# Altium PCB PROC054D_MMWCAS_RF_EVM.PcbDoc (part 10 of 14) (continued)
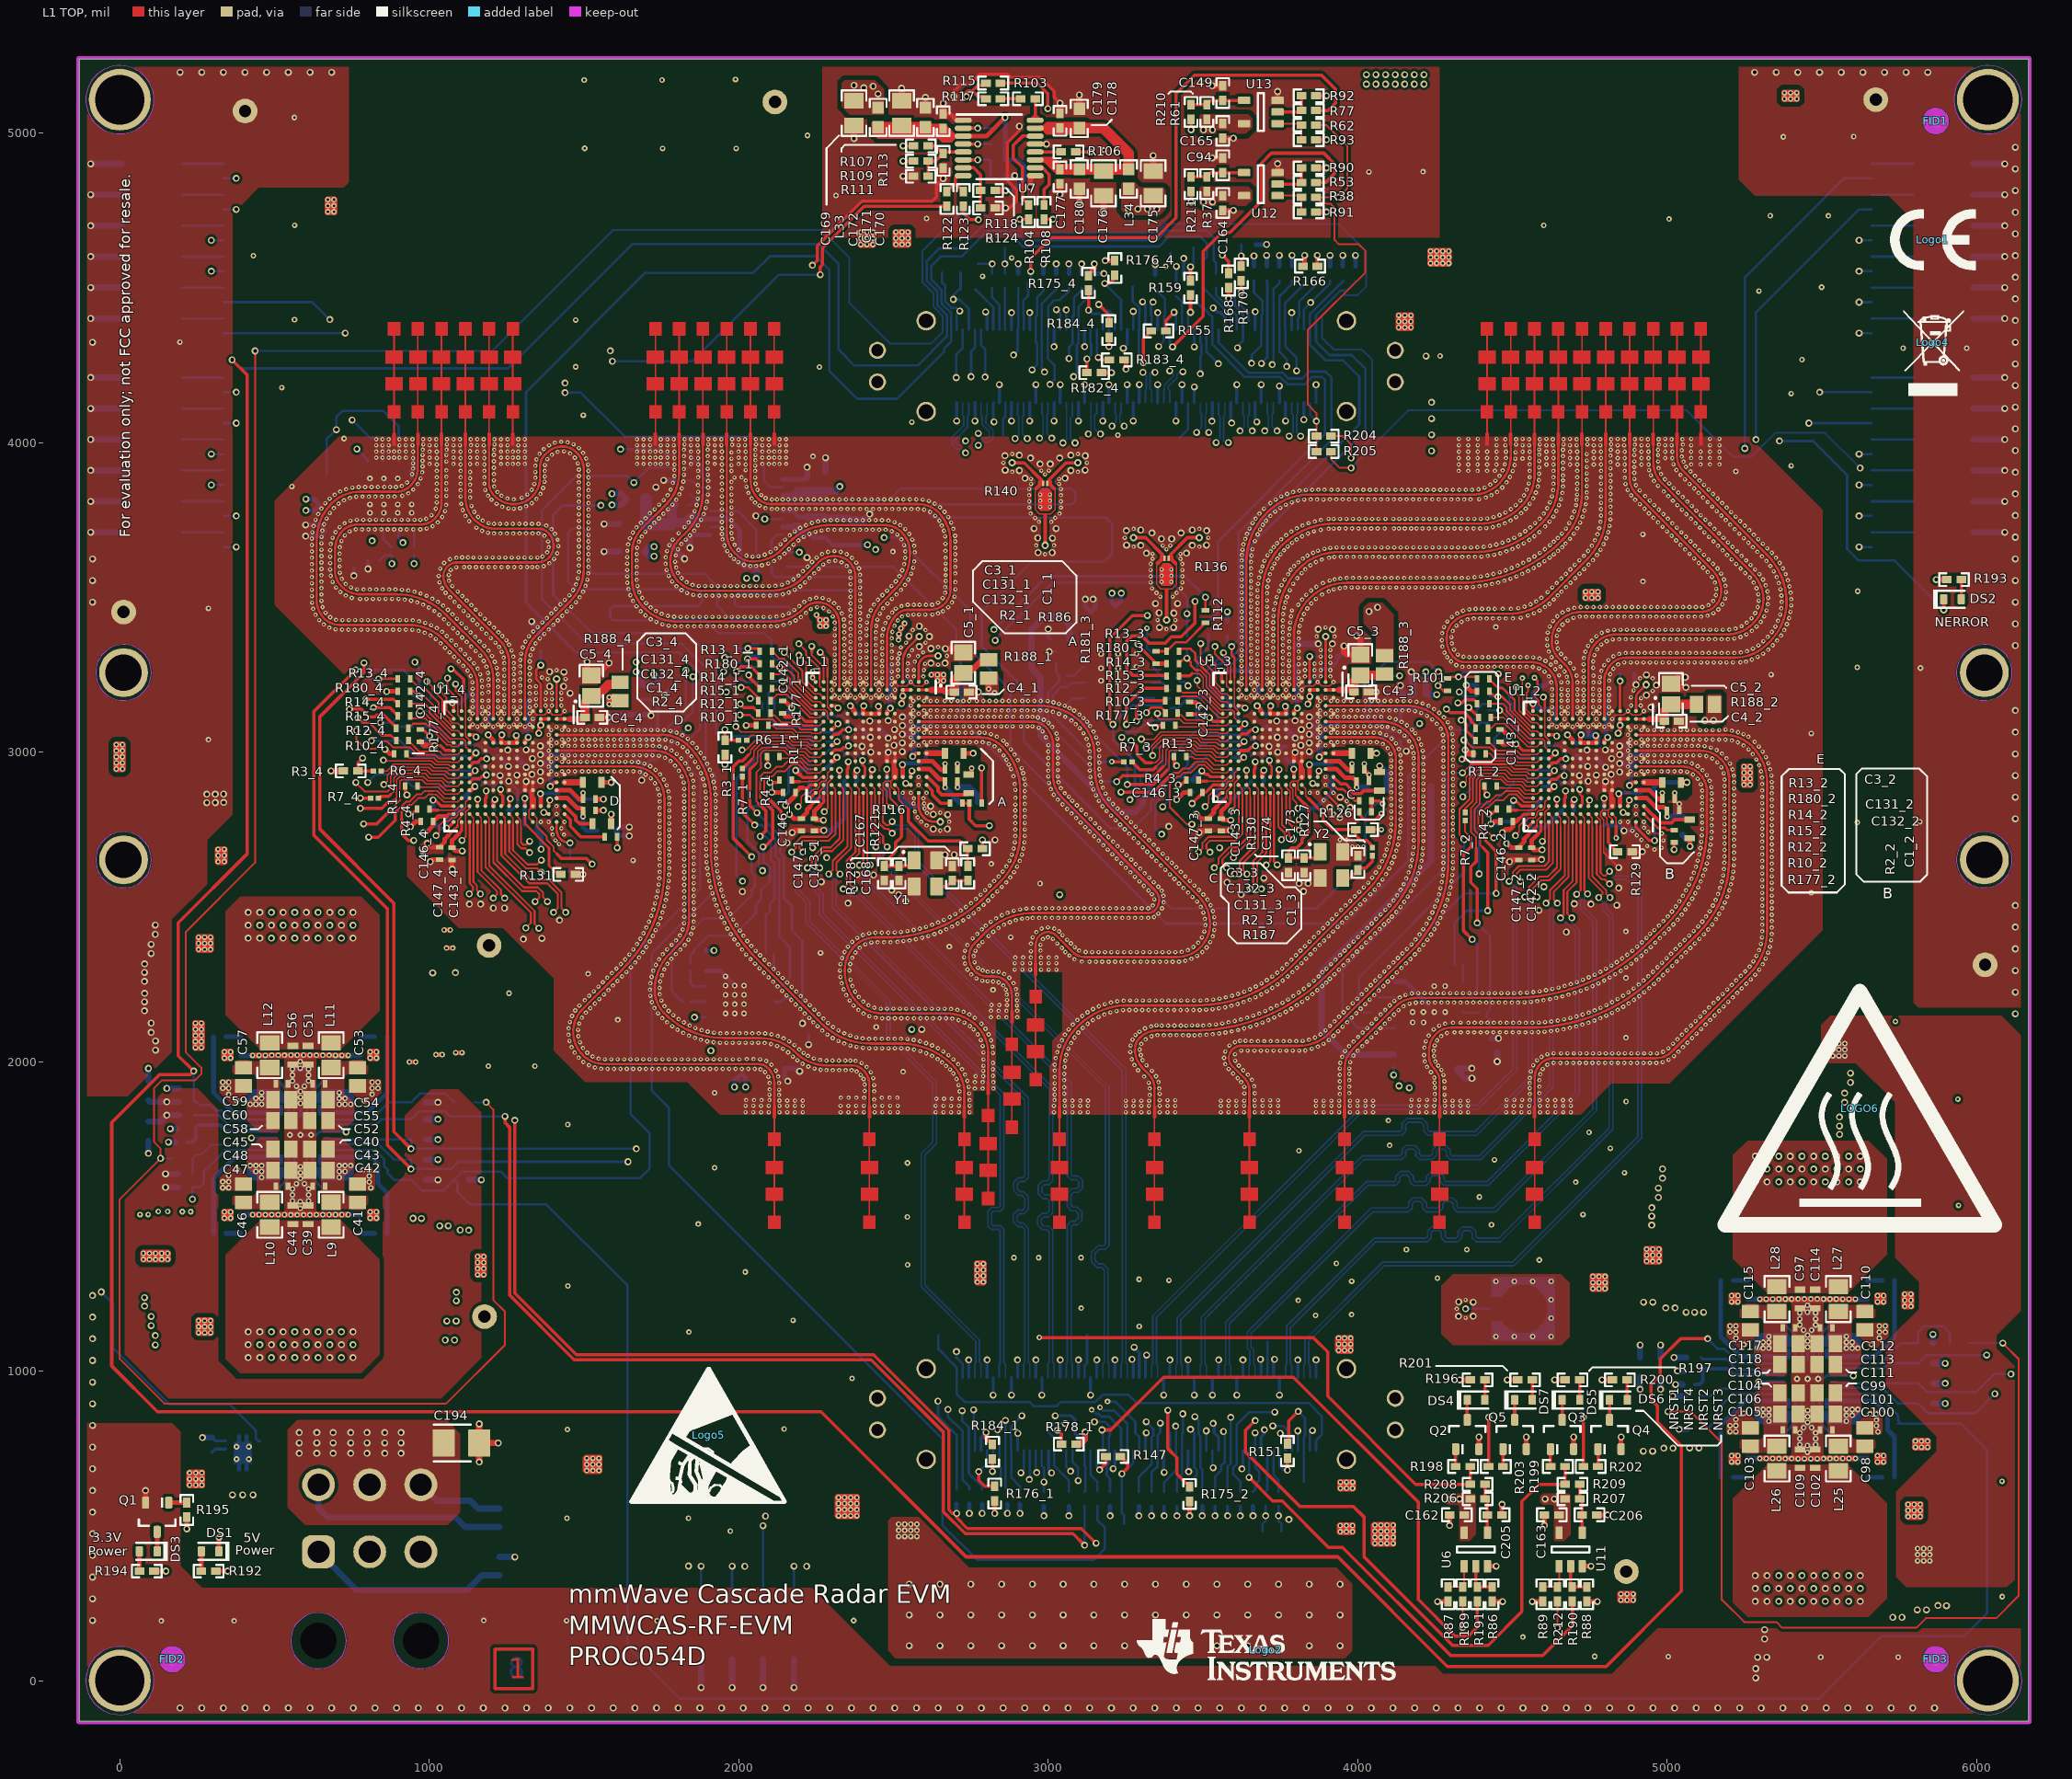
[diagram p0: L1 TOP view]
## Nets (pads, with @x,y where several pads share a name; then routed paths per layer and width w, separated by ;. In a path a pad name is that pad's centre, name@x,y a point inside that pad or via, vN(x,y) a via of type N, cw(c..) or ccw(c..) an arc to the next point about the centre after c; other vN are vias at no path point) (continued)
LMK1_CLK_EN: R119.1 U7.4 | length 87.8
  L1 TOP w10.5: U7.4@2725.57,4964.72 v2(2772.02,4964.72)
  L8 BOTTOM w7.75: v2(2772.02,4964.72) R119.1@2813.38,4964.72
LMK1_CLK_SEL: R118.1 R124.2 U7.7 | length 173
  L1 TOP w10.5: U7.7@2725.57,4887.95 2759.21,4887.95 2782.02,4865.14 R124.2@2782.02,4758.04
LMK1_nCLK: R105.1 R110.2 U7.6 | length 139
  L1 TOP w10.5: U7.6@2725.57,4913.54 v2(2772.02,4913.54)
  L8 BOTTOM w7.75: v2(2772.02,4913.54) R105.1@2813.38,4913.54 R110.2@2813.38,4862.36
LMK1_OE: R120.1 U7.2 | length 87.8
  L1 TOP w10.5: U7.2@2725.57,5015.9 v2(2772.02,5015.9)
  L8 BOTTOM w7.75: v2(2772.02,5015.9) R120.1@2813.38,5015.9
LMK2_3V3: C182.1 C183.2 C184.1 C185.1 C186.1 C187.2 C188.1 C189.2 L35.2 R137.2 R138.2 R141.2 U8.3 U8.11 U8.15 | length 1865.2
  L3 SIGNAL 1 w50: v2(2025.66,3561.87) 2351.99,3561.87 2435.46,3645.34 2326.38,3754.41 v2(2326.38,3858.27)
  L8 BOTTOM w15: C182.1@1841.77,3741.12 1860.89,3741.12 1872.78,3753 U8.3@1908.9,3753 1968.09,3753 2002.94,3718.16 R138.2@2002.94,3649.64 ; U8.15@2141.18,3727.41 2179.18,3727.41 2194.37,3712.23 C186.1@2220.98,3712.23 2240.83,3692.37 C187.2@2280.22,3692.37 2302.89,3669.7 C185.1@2359.46,3669.7 v2(2416.03,3669.7) ; U8.11@2141.18,3829.78 2182.94,3829.78 2192.59,3839.43 C188.1@2220.98,3839.43
  L8 BOTTOM w20: R138.2@2002.94,3649.64 2002.94,3618.65 2023.14,3598.46 R137.2@2056.85,3598.46 v2(2056.85,3561.16)
  L8 BOTTOM w25: C188.1@2220.98,3839.43 2276.12,3839.43 C189.2@2280.22,3843.53 2311.65,3843.53 v2(2326.38,3858.27)
  L8 BOTTOM w30: C184.1@1695.02,3737.01 C184.1@1700.53,3742.52 ; R141.2@1791.14,3796.29 1783.09,3788.23 1783.09,3741.12 C182.1@1841.77,3741.12
  L8 BOTTOM w40: C184.1@1695.02,3737.01 C183.2@1783.09,3737.01 ; C184.1@1700.53,3742.52 L35.2@1700.53,3816.87
  other v2: 2442.4,3654.61
LMK2_CLK_EN: R137.1 U8.4 | length 245.8
  L8 BOTTOM w7.75: U8.4@1908.9,3778.59 1997.03,3778.59 2056.85,3718.77 R137.1@2056.85,3645.7
LMK2_CLK_EN_N: R144.2 U8.6 | length 79.4
  L8 BOTTOM w5.25: R144.2@1838.39,3837.29 1839.86,3837.29 1854.34,3822.81 1873.69,3822.81 1880.66,3829.78 U8.6@1908.9,3829.78
LMK2_CLK_EN_P: R141.1 U8.5 | length 79.3
  L8 BOTTOM w5.25: R141.1@1838.39,3796.29 1841.06,3796.29 1855.58,3810.81 1873.87,3810.81 1880.49,3804.18 U8.5@1908.9,3804.18
LMK2_CLK_SEL: R139.2 U8.7 | length 80
  L8 BOTTOM w7.75: R139.2@1838.39,3878.29 1846.97,3878.29 1869.89,3855.37 U8.7@1908.9,3855.37
LMK2_OE: R138.1 U8.2 | length 120.1
  L8 BOTTOM w7.75: U8.2@1908.9,3727.41 1948.07,3727.41 1955.7,3719.79 R138.1@1955.7,3649.64
MCU_CLKOUT_RS_1: R5_1.2 U1_1.N9 | length 57.3
  L1 TOP w10.5: U1_1.N9@2299.94,3021.91 2305.71,3021.91 v2(2317.94,3034.14)
  L8 BOTTOM w7.75: R5_1.2@2283.71,3034.14 v2(2317.94,3034.14)
MCU_CLKOUT_RS_2: R5_2.2 U1_2.N9 | length 116.5
  L1 TOP w10.5: U1_2.N9@4617.94,2927.91 4623.71,2927.91 v2(4635.94,2940.14)
  L8 BOTTOM w7.75: R5_2.2@4543.9,2943.53 4547.29,2940.14 v2(4635.94,2940.14)
MCU_CLKOUT_RS_3: R5_3.2 U1_3.N9 | length 107.8
  L1 TOP w10.5: U1_3.N9@3614.94,3021.91 3620.71,3021.91 v2(3632.94,3034.14)
  L8 BOTTOM w7.75: R5_3.2@3551.46,3026.2 3559.4,3034.14 v2(3632.94,3034.14)
MCU_CLKOUT_RS_4: R5_4.2 U1_4.N9 | length 161.2
  L1 TOP w10.5: U1_4.N9@1129.94,2927.91 1135.71,2927.91 v2(1147.94,2940.14)
  L8 BOTTOM w7.75: R5_4.2@1014.55,2928.78 1049.3,2928.78 1060.66,2940.14 v2(1147.94,2940.14)
MSS_LOGGER_RS_1: R15_1.2 U1_1.R5 | length 174.6
  L1 TOP w6: R15_1.2@2108,3206 2112.72,3201.28 2155.62,3201.28 2232.64,3124.27 U1_1.R5@2248.76,3124.27
MSS_LOGGER_RS_2: R15_2.2 U1_2.R5 | length 169.7
  L1 TOP w4.9: R15_2.2@4430.9,3112 4471,3112 4552.73,3030.27 U1_2.R5@4566.76,3030.27
MSS_LOGGER_RS_3: R15_3.2 U1_3.R5 | length 175.9
  L1 TOP w4.9: R15_3.2@3422.9,3206 3422.9,3204 3434.73,3192.17 3487.54,3192.17 3555.44,3124.27 U1_3.R5@3563.76,3124.27
MSS_LOGGER_RS_4: R15_4.2 U1_4.R5 | length 176.8
  L1 TOP w4: 1057.68,3038.32 1063,3033 1076.03,3033 U1_4.R5@1078.76,3030.27
  L1 TOP w6: R15_4.2@937.9,3117 945.9,3109 987,3109 1057.68,3038.32
NERROR_OUT: DS2.2 J4.75 R150.1 R154.2 R156.2 R158.2 R160.2 | length 15844.1
  L1 TOP w10.5: v2(5894.06,3459.61) DS2.2@5894.06,3493.76
  L3 SIGNAL 1 w5.1: v2(3037.24,2539.49) 3037.24,2764 3237.87,2964.62 v2(3237.87,3047.64)
  L5 SIGNAL 2 w12: v2(842,3095.1) 853.64,3083.46 976.74,3083.46 1017.21,3123.92 1412.05,3123.92 1517.32,3018.65 1827.6,3018.65 1990.9,3181.95 2028.05,3181.95 v2(2037,3173)
  L6 SIGNAL 3 w6.9: v2(842,3095.1) 884.93,3138.03 884.93,3327.09 1126.05,3568.21 1126.05,4266.2 1392.79,4532.93 2018.75,4532.93 2143.65,4408.04 2507.62,4408.04 2581.18,4334.48 2823.74,4334.48 2851.61,4362.35 3142.35,4362.35 3188.33,4408.33 3188.33,4481.34 3208,4501.01 3208,4567.02 3285.48,4644.5 3482.19,4644.5 3528.8,4691.11 3732.33,4691.11 3766.82,4656.61 4004.49,4656.61 4132.37,4784.49 4625.46,4784.49 5363.21,4046.74 v2(5363.21,4005.06) 5335.8,4005.06 5296.17,4044.69 5129.07,4044.69 4454.58,3370.2 v2(4454.58,3252.7) ; v2(2037,3173) 2037,3212.19 2016.91,3232.28 1987.03,3232.28 1972.24,3247.07 1972.24,3268.92 2000.61,3297.29 2000.61,3343.48 2016.48,3359.35 2039.42,3359.35 2072.91,3325.87 2072.91,3276.54 2093.18,3256.27 2093.18,3208.04 2126.03,3175.19 2247.86,3175.19 2347.48,3274.82 2347.48,3392.58 2403.46,3448.57 2632.81,3448.57 2849.83,3231.54 2849.83,3124.4 2730.07,3004.64 2730.07,2915.71 2737.79,2907.99 2737.79,2879.36 3037.24,2579.9 v2(3037.24,2539.49) 3134.4,2442.34 3134.4,1016.48 3212.76,938.13 3212.76,746.72 3261.68,697.8 3261.68,657.35 3226.66,622.33 3005.67,622.33 v2(2986,642)
  L8 BOTTOM w7.75: v2(842,3095.1) 882.1,3095.1 R160.2@909,3122 ; v2(2037,3173) 2060.46,3173 2075.9,3157.56 R154.2@2075.9,3139.1 ; J4.75@2979.8,743.02 2979.8,694.2 2987,687 2987,643 v2(2986,642) R150.1@2986,610.42 ; v2@3240.29,3047.25 3259.58,3066.54 3289.73,3066.54 3325.19,3102 R158.2@3396.01,3102 ; v2(4454.58,3252.7) 4454.58,3220.59 4489.96,3185.21 4489.96,3167.72 4500.91,3156.76 4500.91,3086.36 4520.6,3066.67 R156.2@4520.6,3059.85 ; v2(5363.21,4005.06) 5471.63,4005.06 5582.13,3894.57 5582.13,3656.46 5619.82,3618.77 5734.9,3618.77 v2(5894.06,3459.61)
NERROR_OUT_LED: DS2.1 R193.1 | length 63.8
  L1 TOP w10.5: DS2.1@5951.15,3493.76 R193.1@5951.15,3557.54
NERROR_OUT_RS_1: R9_1.2 U1_1.N8 | length 320.9
  L1 TOP w10.5: U1_1.N8@2299.94,3047.5 2309.49,3057.05 2320.01,3057.05 2335.56,3072.6 v2(2354.99,3072.6)
  L8 BOTTOM w7.75: R9_1.2@2155.9,3176 2197,3176 2255.76,3117.24 2332.17,3117.24 2354.59,3094.82 2354.59,3072.2 v2(2354.99,3072.6)
NERROR_OUT_RS_2: R9_2.2 U1_2.N8 | length 169.7
  L1 TOP w10.5: U1_2.N8@4617.94,2953.5 4629.24,2964.8 4642.45,2964.8 4656.25,2978.6 v2(4672.99,2978.6)
  L8 BOTTOM w7.75: R9_2.2@4600.6,3020.95 4655.06,3020.95 4672.99,3003.02 v2(4672.99,2978.6)
NERROR_OUT_RS_3: R9_3.2 U1_3.N8 | length 155.4
  L1 TOP w10.5: U1_3.N8@3614.94,3047.5 3626.45,3059.01 3642.73,3059.01 3656.32,3072.6 v2(3669.99,3072.6)
  L8 BOTTOM w7.75: R9_3.2@3587.22,3084.16 3606.51,3084.16 3620.93,3069.73 3667.12,3069.73 v2(3669.99,3072.6)
NERROR_OUT_RS_4: R9_4.2 U1_4.N8 | length 319.9
  L1 TOP w10.5: U1_4.N8@1129.94,2953.5 1142.84,2966.4 1155.48,2966.4 1167.68,2978.6 v2(1184.99,2978.6)
  L8 BOTTOM w7.75: R9_4.2@985.9,3082 1026,3082 1084.74,3023.26 1160.76,3023.26 1184.71,2999.31 1184.71,2978.32 v2(1184.99,2978.6)
NetC9_1: C9.1 U5.3 | length 48.7
  L8 BOTTOM w10: C9.1@297.71,737.86 308.41,748.57 U5.3@342,748.57
NetC37_2: C37.2 R39.2 | length 27.6
  L8 BOTTOM w10: C37.2@753.8,1591.98 R39.2@781.41,1591.98
NetC38_2: C38.2 R40.2 | length 27.6
  L8 BOTTOM w10: R40.2@385.66,1591.98 C38.2@413.28,1591.98
NetC49_2: C49.2 R41.2 | length 27.6
  L8 BOTTOM w10: C49.2@753.8,1933.94 R41.2@781.41,1933.94
NetC50_2: C50.2 R42.2 | length 27.6
  L8 BOTTOM w10: R42.2@385.66,1933.94 C50.2@413.28,1933.94
NetC95_2: C95.2 R63.2 | length 27.6
  L8 BOTTOM w10: C95.2@5624.52,804.13 R63.2@5652.14,804.13
NetC96_2: C96.2 R64.2 | length 27.6
  L8 BOTTOM w10: R64.2@5256.39,804.13 C96.2@5284,804.13
NetC107_2: C107.2 R65.2 | length 27.6
  L8 BOTTOM w10: C107.2@5624.52,1146.09 R65.2@5652.14,1146.09
NetC108_2: C108.2 R66.2 | length 27.6
  L8 BOTTOM w10: R66.2@5256.39,1146.09 C108.2@5284,1146.09
NetDS3_2: DS3.2 Q1.3 | length 63
  L1 TOP w15: DS3.2@120.44,417.61 Q1.3@120.44,480.64
NetDS4_2: DS4.2 Q2.3 | length 64.3
  L1 TOP w10.5: Q2.3@4354.39,842.45 DS4.2@4354.39,906.78
NetDS5_2: DS5.2 Q3.3 | length 64.3
  L1 TOP w10.5: Q3.3@4660.83,842.45 DS5.2@4660.83,906.78
NetDS6_2: DS6.2 Q4.3 | length 64.3
  L1 TOP w10.5: Q4.3@4814.06,842.45 DS6.2@4814.06,906.78
NetDS7_2: DS7.2 Q5.3 | length 64.3
  L1 TOP w10.5: Q5.3@4507.61,842.45 DS7.2@4507.61,906.78
OSC_CLKOUT_RS_1: R2_1.2 U1_1.A14 | length 107.9
  L1 TOP w10.5: U1_1.A14@2607.03,2893.95 2625.79,2875.19 2625.79,2862.31 2653.2,2834.89 R2_1.2@2682.88,2834.89
OSC_CLKOUT_RS_2: R2_2.2 U1_2.A14 | length 119.1
  L1 TOP w8: U1_2.A14@4925.03,2799.95 4969.8,2755.18 4993.09,2755.18 4999.87,2748.4 R2_2.2@5022.77,2748.4
OSC_CLKOUT_RS_3: R2_3.2 U1_3.A14 | length 104
  L1 TOP w8: U1_3.A14@3922.03,2893.95 3935.88,2880.1 3953.48,2880.1 3991.17,2842.4 R2_3.2@4004.71,2842.4
OSC_CLKOUT_RS_4: R2_4.2 U1_4.A14 | length 173
  L1 TOP w10.5: U1_4.A14@1437.03,2799.95 1455.79,2781.19 1455.79,2760.07 1489.63,2726.23 R2_4.2@1567.14,2726.23
PMIC1_3V3: R34.1 R36.2 R49.2 R50.2 R51.2 R54.2 R56.2 R94.2 | length 368.7
  L8 BOTTOM w20: R36.2@92.28,1806.04 130.94,1806.04 v2(151.69,1826.79) R50.2@191.56,1826.79 ; R34.1@92.28,1875.1 97.28,1870.1 v2(151.69,1870.1) R51.2@191.56,1870.1 ; v2(147.58,1593.92) R54.2@187.46,1593.92 ; v2(147.58,1637.22) R56.2@187.46,1637.22 ; R49.2@988.28,1618.2 v2(1028.15,1618.2) ; R94.2@988.28,1868.27 v2(1028.15,1868.27)
PMIC1_AWR_1_1V0: C25.1 C27.1 C61.1 C62.1 L4.1 L5.1 L13.2 R43.1 | length 48.2
  L8 BOTTOM w15: C62.1@775.98,1445.28 R43.1@824.21,1445.28
PMIC1_AWR_4_1V0: C33.1 C35.1 C66.1 C67.1 L7.1 L8.1 L15.2 R48.1 | length 48.2
  L8 BOTTOM w15: C66.1@775.98,2080.64 R48.1@824.21,2080.64
PMIC1_AWR_14_1V2: C10.1 C64.1 C65.1 C161.1 L1.1 L3.1 L14.2 R45.1 | length 48.2
  L8 BOTTOM w15: R45.1@342.87,1445.28 C65.1@391.09,1445.28
PMIC1_AWR_14_1V8: C14.1 C68.1 C69.1 C86.1 L2.1 L6.1 L16.2 R35.1 R52.1 | length 48.2
  L8 BOTTOM w15: R52.1@342.87,2080.64 C68.1@391.09,2080.64
PMIC1_FB_B0: R43.2 U3.8 | length 422.1
  L8 BOTTOM w15: U3.8@658.34,1691.11 813.68,1691.11 833.58,1671.21 833.58,1606.08 864.21,1575.46 R43.2@864.21,1445.28
PMIC1_FB_B1: R45.2 U3.14 | length 411.9
  L8 BOTTOM w15: R45.2@302.87,1445.28 302.87,1623.1 370.88,1691.11 U3.14@508.73,1691.11
PMIC1_FB_B2: R48.2 U3.1 | length 413.6
  L8 BOTTOM w15: U3.1@658.34,1834.81 799.23,1834.81 864.21,1899.79 R48.2@864.21,2080.64
PMIC1_FB_B3: R52.2 U3.21 | length 413.6
  L8 BOTTOM w15: R52.2@302.87,2080.64 302.87,1899.79 367.85,1834.81 U3.21@508.73,1834.81
PMIC1_GPIO2: R54.1 TP7.1 U3.15 U5.5 | length 1886.2
  L3 SIGNAL 1 w5.1: v2(-60.26,1255.79) 39.14,1255.79 54.72,1271.37 287,1271.37 326.32,1310.69 326.32,1463.76 v2(234.7,1555.38)
  L8 BOTTOM w7.75: v2(-60.26,1255.79) -20.48,1216.01 -20.48,1073.71 160.17,893.06 354.43,893.06 439.5,807.99 439.5,782.27 447.61,774.16 U5.5@452.24,774.16 ; v2(234.7,1555.38) R54.1@234.7,1593.92 257.58,1593.92 271.32,1607.66 271.32,1644.49 TP7.1@293.43,1666.6 340.58,1713.75 U3.15@508.73,1713.75
PMIC1_GPIO3: R73.2 R94.1 U3.2 | length 469.5
  L8 BOTTOM w7.75: U3.2@658.34,1812.17 811.67,1812.17 867.77,1868.27 R94.1@941.03,1868.27 969.43,1896.67 1052.69,1896.67 R73.2@1081.09,1868.27
PMIC1_INTN: R50.1 U3.19 | length 284.1
  L8 BOTTOM w7.75: R50.1@238.81,1826.79 320.6,1826.79 354.9,1792.49 U3.19@508.73,1792.49
PMIC1_PGOOD: R73.1 R96.1 R204.2 | length 11347.4
  L1 TOP w6: v2(437.24,4296.19) 437.24,2642.76 212.32,2417.85 212.32,2031.35 262.88,1980.8 262.88,1959.84 242.13,1939.09 135.33,1939.09 110.09,1913.85 110.09,1740.66 131.84,1718.91 v2(131.84,1687.42) -0.76,1554.83 -0.76,1039.26 143.36,895.14 1054.68,895.14 1244.2,1084.67 1244.2,1192.77 1206.91,1230.06 1206.91,1845.31 v2(1183.95,1868.27) ; R204.2@3914.25,4020.74 3951.83,4020.74 3979.06,3993.5 v2(3979.06,3950.08)
  L8 BOTTOM w6: v2(131.84,1687.42) R96.1@171.71,1687.42 ; v2(437.24,4296.19) 1202.8,4296.19 1593.41,4686.79 2268.61,4686.79 2357.79,4597.62 2357.79,4451.15 2489.63,4319.31 2620.75,4319.31 2659.5,4358.06 2659.5,4408.86 2629.32,4439.03 2629.32,4482.91 2593.6,4518.63 2593.6,4619.76 2721.78,4747.95 2786.17,4747.95 2815.2,4718.91 2877.24,4718.91 2919.81,4676.34 3348.38,4676.34 3378.23,4706.19 3939.64,4706.19 4027.06,4618.77 4027.06,4504.11 3999.54,4476.6 3951.7,4476.6 3884.97,4409.87 3884.97,4338.86 3923.26,4300.57 4013.34,4300.57 4047.1,4266.81 4047.1,4018.12 v2(3979.06,3950.08) ; R73.1@1144.08,1868.27 v2(1183.95,1868.27)
PMIC1_PGOOD_RS: R56.1 R96.2 TP11.1 U3.16 | length 343.3
  L8 BOTTOM w6: R56.1@234.7,1637.22 R96.2@234.7,1687.42 245.57,1698.29 260.88,1698.29 TP11.1@293.43,1730.84 489.56,1730.84 492.15,1733.43 U3.16@508.73,1733.43
PMIC1_SCL: J4.72 R47.1 R98.1 R100.1 R102.1 R114.1 TP9.1 U3.5 | length 10164.4
  L1 TOP w10.5: v2(788.92,3288.1) 788.92,3256.99 646.81,3114.88 646.81,2750.57 885.85,2511.53 885.85,1773.33 v2(941.03,1718.15)
  L5 SIGNAL 2 w12: v2(788.92,3288.1) 822.67,3321.85 1169.51,3321.85 1341.82,3149.55 1419.85,3149.55 1518.86,3050.54 1755.49,3050.54 1828.46,3123.5 1870.63,3123.5 1923.8,3176.67 1923.8,3232.94 v2(1951.03,3260.18) ; v2(3448.24,3447.14) 3504.12,3391.26 3709.95,3391.26 3842.13,3523.44 4080.51,3523.44 4121.81,3482.15 4121.81,3401.27 4009.99,3289.45 4009.99,3196.17 4064.8,3141.35 4251.08,3141.35 4274.15,3164.42 4295.91,3164.42 4325.82,3194.34 v2(4328.61,3194.34)
  L6 SIGNAL 3 w6.9: v2(1668.76,1718.15) 1668.76,1429.75 2476.77,621.73 2862.04,621.73 v2(2912,671.69) ; v2(1951.03,3260.18) 1958.17,3267.31 1958.17,3275.07 1982.95,3299.86 1982.95,3349.94 2008.64,3375.63 2053.37,3375.63 2093.71,3335.29 2093.71,3279.31 2111.37,3261.65 2111.37,3215.09 2134.29,3192.17 2229.13,3192.17 2330.46,3293.5 2330.46,3411.09 2386.94,3467.57 2692.31,3467.57 2798.84,3361.04 v2(2828.84,3361.04)
  L8 BOTTOM w7.75: U3.5@658.34,1753.12 676.46,1753.12 681.35,1748.23 TP9.1@885.78,1748.23 R47.1@941.03,1748.23 v2(941.03,1718.15) v2(1668.76,1718.15) ; v2(788.92,3288.1) 811.55,3265.46 917.54,3265.46 933.88,3249.12 R114.1@933.88,3235.9 ; v2(1951.03,3260.18) 1981.56,3290.71 2001.59,3290.71 2017.24,3275.06 R98.1@2064.31,3275.06 ; v2(2828.84,3361.04) 3015.95,3548.15 3399.39,3548.15 3448.24,3499.3 v2(3448.24,3447.14) R102.1@3448.24,3373.71 ; v2(2912,671.69) 2920.75,680.44 J4.72@2920.75,743.02 ; v2(4328.61,3194.34) 4343.72,3179.22 R100.1@4386.98,3179.22
PMIC1_SDA: J4.73 R46.2 R99.1 R101.1 R112.1 R125.1 TP10.1 U3.6 | length 9791.9
  L1 TOP w8: R112.1@3508.27,3457.99 v2(3508.27,3500.51) ; v2(4259.95,3214.65) 4276.6,3198 R101.1@4291.06,3198
  L1 TOP w10.5: v2(761.74,3265.93) 627.45,3131.64 627.45,2730.66 865.28,2492.83 865.28,1728.88 v2(941.03,1653.13)
  L5 SIGNAL 2 w12: v2(761.74,3265.93) 761.74,3307.2 811.01,3356.47 1181.41,3356.47 1363.78,3174.1 1428.23,3174.1 1521.42,3080.91 1737.13,3080.91 1819.45,3163.23 1855.35,3163.23 1893.28,3201.16 1893.28,3274.97 1923.58,3305.27 v2(1954.65,3305.27) ; v2(3508.27,3500.51) 3508.27,3456.2 3543.25,3421.22 3624.76,3421.22 3779.22,3575.68 4107.74,3575.68 4168.22,3515.2 4168.22,3364.26 4090.15,3286.18 4090.15,3210.22 4119.57,3180.8 4192.99,3180.8 4226.84,3214.65 v2(4259.95,3214.65)
  L6 SIGNAL 3 w6.9: v2(1642.42,1676.33) 1642.42,1426.03 2460.39,608.07 2897.07,608.07 v2(2939,650) ; v2(1954.65,3305.27) 1954.65,3343.47 2003.18,3392 2085.49,3392 2111.63,3365.85 2111.63,3316.78 2129.68,3298.73 2155.47,3298.73 2169.82,3284.38 2270.05,3284.38 2312.56,3326.89 2312.56,3436.17 2358.84,3482.45 2738.43,3482.45 v2(2824.62,3396.26)
  L8 BOTTOM w7.75: U3.6@658.34,1733.43 835.56,1733.43 TP10.1@885.78,1683.21 R46.2@941.03,1683.21 v2(941.03,1653.13) 1070.39,1653.13 1093.59,1676.33 v2(1642.42,1676.33) ; R125.1@761.74,3236.1 v2(761.74,3265.93) ; v2(1954.65,3305.27) R99.1@1954.65,3335.1 ; v2(2824.62,3396.26) 2996.4,3568.04 3440.73,3568.04 v2(3508.27,3500.51) ; v2(2939,650) 2940.43,651.43 J4.73@2940.43,743.02
PMIC1_SW_B0: C37.1 L13.1 U3.10 | length 130.8
  L8 BOTTOM w9: U3.10@603.22,1702.33 603.22,1641.47 652.66,1592.04
PMIC1_SW_B1: C38.1 L14.1 U3.12 | length 130.8
  L8 BOTTOM w9: 514.42,1592.04 563.85,1641.47 U3.12@563.85,1702.33
PMIC1_SW_B2: C49.1 L15.1 U3.25 | length 130.8
  L8 BOTTOM w9: U3.25@603.22,1823.59 603.22,1884.45 652.66,1933.89
PMIC1_SW_B3: C50.1 L16.1 U3.23 | length 130.8
  L8 BOTTOM w9: 514.42,1933.89 563.85,1884.45 U3.23@563.85,1823.59
PMIC1_VANA: C63.1 R44.2 TP14.1 U3.18 | length 343.1
  L8 BOTTOM w9: 490.46,1772.8 U3.18@508.73,1772.8
  L8 BOTTOM w12: C63.1@219.53,1739.74 234.75,1739.74 245.28,1750.27 R44.2@245.28,1783.21 245.28,1787.47 252.89,1795.08 TP14.1@293.43,1795.08 324.97,1795.08 343.67,1776.38 486.89,1776.38 490.46,1772.8
PMIC1_VIN_B0: C40.1 C41.1 C42.1 C43.1 L9.2 U3.9
  other v3: 708.82,1626.03 708.82,1645.04 727.45,1645.04 708.82,1664.05 727.45,1664.05 746.08,1664.05
PMIC1_VIN_B1: C45.1 C46.1 C47.1 C48.1 L10.2 U3.13
  other v3: 458.26,1626.03 439.63,1645.04 458.26,1645.04 421,1664.05 439.63,1664.05 458.26,1664.05
PMIC1_VIN_B2: C52.1 C53.1 C54.1 C55.1 L11.2 U3.26
  other v3: 708.82,1861.87 727.45,1861.87 746.08,1861.87 708.82,1880.88 727.45,1880.88 708.82,1899.89
PMIC1_VIN_B3: C57.1 C58.1 C59.1 C60.1 L12.2 U3.22
  other v3: 421,1861.87 439.63,1861.87 458.26,1861.87 439.63,1880.88 458.26,1880.88 458.26,1899.89
PMIC2_3V3: R59.1 R60.2 R74.2 R78.2 R80.2 R95.2 | length 215.1
  L8 BOTTOM w20: R60.2@4912.9,1044.19 v2(4912.9,1084.06) ; R59.1@4978.78,1044.19 v2(4978.78,1084.06) ; v2(5018.31,919.56) R80.2@5058.18,919.56 ; v2(5022.42,1043.93) R74.2@5062.29,1043.93 ; v2(5038.8,811.98) R78.2@5065.83,811.98 ; R95.2@5859,1090.42 v2(5859,1118.98)
PMIC2_AWR_2_1V0: C82.1 C84.1 C119.1 C120.1 L20.1 L21.1 L29.2 R67.1 | length 48.2
  L8 BOTTOM w15: C120.1@5646.71,657.42 R67.1@5694.93,657.42
PMIC2_AWR_3_1V0: C90.1 C92.1 C124.1 C125.1 L23.1 L24.1 L31.2 R72.1 | length 48.2
  L8 BOTTOM w15: C124.1@5646.71,1292.79 R72.1@5694.93,1292.79
PMIC2_AWR_23_1V2: C70.1 C122.1 C123.1 C153.1 L17.1 L19.1 L30.2 R69.1 | length 48.2
  L8 BOTTOM w15: R69.1@5213.59,657.42 C123.1@5261.82,657.42
PMIC2_AWR_23_1V8: C74.1 C126.1 C127.1 C157.1 L18.1 L22.1 L32.2 R76.1 | length 48.2
  L8 BOTTOM w15: R76.1@5213.59,1292.79 C126.1@5261.82,1292.79
PMIC2_FB_B0: R67.2 U4.8 | length 414.1
  L8 BOTTOM w15: U4.8@5529.07,903.26 5670.7,903.26 5712.74,861.22 5712.74,809.8 5734.93,787.61 R67.2@5734.93,657.42
PMIC2_FB_B1: R69.2 U4.14 | length 406.2
  L8 BOTTOM w15: R69.2@5173.59,657.42 5173.59,825.65 5251.2,903.26 U4.14@5379.46,903.26
PMIC2_FB_B2: R72.2 U4.1 | length 413.6
  L8 BOTTOM w15: U4.1@5529.07,1046.96 5669.95,1046.96 5734.93,1111.94 R72.2@5734.93,1292.79
PMIC2_FB_B3: R76.2 U4.21 | length 413.6
  L8 BOTTOM w15: R76.2@5173.59,1292.79 5173.59,1111.94 5238.57,1046.96 U4.21@5379.46,1046.96
PMIC2_GPIO2: R78.1 TP24.1 U4.15 | length 330.3
  L8 BOTTOM w7.75: 5114.42,811.98 5128.3,811.98 5164.16,847.84 TP24.1@5164.16,878.74 5211.31,925.89 U4.15@5379.46,925.89
PMIC2_GPIO3: R75.2 R95.1 U4.2 | length 498.4
  L8 BOTTOM w7.75: U4.2@5529.07,1024.32 5688.32,1024.32 5754.41,1090.42 R95.1@5811.76,1090.42 5811.76,1126.39 5830.7,1145.33 5891.99,1145.33 5914.54,1122.77 R75.2@5914.54,1090.42
PMIC2_INTN: R74.1 U4.19 | length 286.2
  L8 BOTTOM w7.75: R74.1@5109.53,1043.93 5114.53,1038.93 5190.44,1038.93 5224.74,1004.63 U4.19@5379.46,1004.63
PMIC2_PGOOD: R75.1 R97.1 R205.2 | length 7731.5
  L1 TOP w6: R205.2@3914.25,3971.03 3914.25,3945.93 3942.13,3918.05 v2(3978.93,3918.05) ; v2(5002.56,869.37) 5076.39,869.37 5176.37,769.38 5176.37,262.34 5249.54,189.17 5353.33,189.17 5371.87,170.63 5805.61,170.63 5836.8,201.81 6064.23,201.81 6136.34,273.92 6136.34,1038.94 v2(6084.86,1090.42)
  L3 SIGNAL 1 w6: v2(5623.99,3918.05) 5659.18,3882.85 5659.18,2434.63 6084.86,2008.95 v2(6084.86,1090.42)
  L8 BOTTOM w6: v2(3978.93,3918.05) 4165.64,4104.76 5061.78,4104.76 5212.11,3954.44 5272.72,3954.44 5349.85,4031.56 5510.47,4031.56 v2(5623.99,3918.05) ; v2(5002.56,869.37) R97.1@5042.43,869.37 ; R75.1@5977.53,1090.42 v2(6084.86,1090.42)
PMIC2_PGOOD_RS: R80.1 R97.2 TP28.1 U4.16 | length 335
  L8 BOTTOM w6: R97.2@5105.43,869.37 R80.1@5105.43,919.56 5140.74,919.56 TP28.1@5164.16,942.99 5360.28,942.99 5362.88,945.58 U4.16@5379.46,945.58
PMIC2_SW_B0: C95.1 L29.1 U4.10 | length 130.8
  L8 BOTTOM w9: U4.10@5473.95,914.48 5473.95,853.61 5523.38,804.18
PMIC2_SW_B1: C96.1 L30.1 U4.12 | length 130.8
  L8 BOTTOM w9: 5385.14,804.18 5434.58,853.61 U4.12@5434.58,914.48
PMIC2_SW_B2: C107.1 L31.1 U4.25 | length 130.8
  L8 BOTTOM w9: U4.25@5473.95,1035.74 5473.95,1096.6 5523.38,1146.03
PMIC2_SW_B3: C108.1 L32.1 U4.23 | length 130.8
  L8 BOTTOM w9: 5385.14,1146.03 5434.58,1096.6 U4.23@5434.58,1035.74
PMIC2_TMPSNS_SCL: J5.49 R71.1 R170.2 TP26.1 U4.5 | length 6278.8
  L1 TOP w10.5: v2(3624,4485.92) R170.2@3624,4523
  L3 SIGNAL 1 w5.1: v2(3624,4485.92) 3653.42,4485.92 3768.36,4370.98 3896.27,4370.98 3924.99,4342.26 5463.78,4342.26 5683.65,4122.4 5683.65,2452.15 6111.24,2024.55 v2(6111.24,990.66)
  L8 BOTTOM w7.75: v2(3624,4485.92) 3624,4442.55 3647,4419.54 3647,4395.99 J5.49@3649.09,4393.9 ; U4.5@5529.07,965.26 5547.19,965.26 5552.07,960.38 TP26.1@5756.51,960.38 R71.1@5811.76,960.38 5840.11,932.02 5998.32,932.02 6056.96,990.66 v2(6111.24,990.66)
PMIC2_TMPSNS_SDA: J5.48 R70.2 R169.2 TP27.1 U4.6 | length 6404.8
  L3 SIGNAL 1 w5.1: v2(3612,4306.48) 3650.96,4345.44 3894.78,4345.44 3997.93,4242.3 4138,4242.3 4208.43,4312.73 5464.31,4312.73 5579.62,4197.42 5579.62,2467.12 6059.57,1987.17 6059.57,1082.13 6085.07,1056.64 6085.07,952.26 v2(6059.57,926.77)
  L8 BOTTOM w7.75: R169.2@3583,4500 3603.6,4479.4 3603.6,4441.4 3629.41,4415.59 3629.41,4328.89 3612,4311.48 v2(3612,4306.48) ; U4.6@5529.07,945.58 5696.29,945.58 5746.51,895.36 TP27.1@5756.51,895.36 R70.2@5811.76,895.36 5843.77,863.35 5996.15,863.35 v2(6059.57,926.77)
PMIC2_VANA: C121.1 R68.2 TP31.1 U4.18 | length 333.6
  L8 BOTTOM w9: 5361.19,984.95 U4.18@5379.46,984.95
  L8 BOTTOM w12: C121.1@5090.26,956.89 5105.48,956.89 5116.01,967.42 R68.2@5116.01,995.35 ; R68.2@5116.01,1000.35 5122.88,1007.23 TP31.1@5164.16,1007.23 5195.7,1007.23 5214.4,988.53 5357.61,988.53 5361.19,984.95
PMIC2_VIN_B0: C98.1 C99.1 C100.1 C101.1 L25.2 U4.9
  other v3: 5579.55,838.18 5579.55,857.18 5598.17,857.18 5579.55,876.19 5598.17,876.19 5616.8,876.19
PMIC2_VIN_B1: C103.1 C104.1 C105.1 C106.1 L26.2 U4.13
  other v3: 5328.98,838.18 5310.35,857.18 5328.98,857.18 5291.72,876.19 5310.35,876.19 5328.98,876.19
PMIC2_VIN_B2: C110.1 C111.1 C112.1 C113.1 L27.2 U4.26
  other v3: 5579.55,1074.02 5598.17,1074.02 5616.8,1074.02 5579.55,1093.03 5598.17,1093.03 5579.55,1112.04
PMIC2_VIN_B3: C115.1 C116.1 C117.1 C118.1 L28.2 U4.22
  other v3: 5291.72,1074.02 5310.35,1074.02 5328.98,1074.02 5310.35,1093.03 5328.98,1093.03 5328.98,1112.04
PMIC_BUCK_EN: R49.1 R55.2 R145.1 TP6.1 TP23.1 U3.7 U4.7 | length 15235.2
  L8 BOTTOM w7.75: U3.7@658.34,1713.75 825.12,1713.75 854.14,1684.73 854.14,1662.04 865.42,1650.77 865.42,1638.56 TP6.1@885.78,1618.2 R49.1@941.03,1618.2 975.51,1583.71 1046.61,1583.71 R55.2@1081.09,1618.2 ; R145.1@3501,4537.9 3501,4589.03 3513.1,4601.13 3513.1,4643.39 3490.76,4665.73 3390.77,4665.73 3358.49,4633.46 2917.07,4633.46 2867.35,4683.17 2801.25,4683.17 2719.47,4601.39 2652.71,4601.39 2622.7,4571.38 2622.7,4526.02 2654.82,4493.9 2654.82,4449.72 2687.05,4417.49 2687.05,4327.24 2664.77,4304.96 2664.77,4295.1 2511.4,4141.73 2382.65,4141.73 2292.3,4232.07 2292.3,4558.58 2248.6,4602.27 2101.46,4602.27 2047.46,4548.27 1697.99,4548.27 1312.5,4162.78 1312.5,3483.7 1474.36,3321.83 1807.31,3321.83 1875.57,3253.56 1875.57,3076.06 1834.81,3035.3 1834.81,2953.78 1875.57,2913.02 1875.57,2559.18 1651.04,2334.65 1651.04,1829.33 1711.99,1768.38 1711.99,1654.44 1681.67,1624.12 1251.68,1624.12 1230.96,1644.84 1107.73,1644.84 R55.2@1081.09,1618.2 ; U4.7@5529.07,925.89 5678.1,925.89 5746.71,857.28 5746.71,840.14 TP23.1@5756.51,830.34 ; TP23.1@5746.51,830.34 TP23.1@5756.51,830.34 ; R55.2@1081.09,1618.2 1091.22,1608.06 1091.22,1578.84 1131.75,1538.31 1378.16,1538.31 1640.5,1275.97 1640.5,110.27 1808.8,-58.02 5491.3,-58.02 5693.13,143.8 5960.78,143.8 6034.87,217.89 6034.87,744.07 5948.6,830.34 TP23.1@5756.51,830.34
PMIC_BUCKEN_CONN: J5.46 R145.2 | length 171.9
  L8 BOTTOM w7.75: R145.2@3501,4500.1 3590.04,4411.06 J5.46@3590.04,4365.06
PMIC_CLKOUT_RS_1: R4_1.2 U1_1.P13 | length 112.3
  L1 TOP w4: 2198,2904 2223,2904 2225.55,2906.55 2254.69,2906.55 2267.69,2919.55 U1_1.P13@2274.35,2919.55
  L1 TOP w10.5: R4_1.2@2171,2910 2177,2904 2198,2904
PMIC_CLKOUT_RS_2: R4_2.2 U1_2.P13 | length 110.2
  L1 TOP w4: 4516,2812.55 4572.69,2812.55 4573.14,2813 4585.71,2825.55 U1_2.P13@4592.35,2825.55
  L1 TOP w10.5: R4_2.2@4489,2816 4492.45,2812.55 4516,2812.55
PMIC_CLKOUT_RS_3: R4_3.2 U1_3.P13 | length 110.2
  L1 TOP w4: 3513,2906.55 3569.69,2906.55 3582.71,2919.55 U1_3.P13@3589.35,2919.55
  L1 TOP w10.5: R4_3.2@3486,2910 3489.45,2906.55 3513,2906.55
PMIC_CLKOUT_RS_4: R4_4.2 U1_4.P13 | length 110.2
  L1 TOP w4: 1028,2812.55 1084.69,2812.55 1085.14,2813 1097.71,2825.55 U1_4.P13@1104.35,2825.55
  L1 TOP w10.5: R4_4.2@1001,2816 1004.45,2812.55 1028,2812.55
PMIC_NRST: R51.1 R58.2 R146.1 TP4.1 TP21.1 U3.20 U4.20 | length 15040.2
  L1 TOP w10.5: v2(362.67,4267.32) 410.71,4219.28 410.71,2670.5 188.85,2448.64 188.85,2019.18 v2(238.81,1969.22) 226.91,1957.32 127.48,1957.32 -26.25,1803.59 -26.25,1016.76 121.63,868.88 2265.67,868.88 2734.72,399.83 3936.26,399.83 4290.4,45.69 4803.14,45.69 5046.46,289.01 5046.46,758.39 4968.34,836.51 4968.34,887.55 4947.72,908.17 4947.72,957.35 4977.57,987.2 4977.57,1039.15 5042.79,1104.37 v2(5131.26,1104.37)
  L8 BOTTOM w7.75: v2(238.81,1969.22) R58.2@238.81,1913.4 R51.1@238.81,1870.1 247.8,1870.1 258.57,1859.32 TP4.1@293.43,1859.32 310.94,1841.81 328.23,1841.81 357.87,1812.17 U3.20@508.73,1812.17 ; v2(362.67,4267.32) 390.24,4239.75 1254.83,4239.75 1656.36,4641.29 2259.02,4641.29 2321.82,4578.48 2321.82,4301.59 2374.14,4249.28 2579.19,4249.28 2673.04,4343.13 2673.04,4412.48 2642.07,4443.45 2642.07,4487.5 2607.77,4521.81 2607.77,4586.82 2648.38,4627.43 2715.19,4627.43 2787.25,4699.49 2874.82,4699.49 2920.33,4653.97 3352.77,4653.97 3383.35,4684.55 3512.84,4684.55 3534.77,4662.62 3534.77,4588.92 3542,4581.69 R146.1@3542,4547.34 ; v2(5131.26,1104.37) TP21.1@5164.16,1071.47 5185.74,1071.47 5232.89,1024.32 U4.20@5379.46,1024.32
PMIC_NRST_CONN: J5.47 R146.2 | length 163.1
  L8 BOTTOM w7.75: R146.2@3542,4500.1 3542,4477.13 3609.72,4409.41 J5.47@3609.72,4365.06
QSPI_CLK_1: R7_1.2 U2_1.6 | length 785.2
  L1 TOP w10.5: R7_1.2@2012.41,2921.02 2012.41,2803.61 v2@2051.6,2764.42
  L8 BOTTOM w7.75: v2@2051.6,2764.42 2073.45,2764.42 2118.41,2719.46 2118.41,2665.2 2130.85,2652.76 2130.85,2403.81 2165.66,2369 2165.66,2272.28 2136.83,2243.45 U2_1.6@2117.46,2243.45
  other v2: 2051.6,2764.3
QSPI_CLK_2: R7_2.2 U2_2.6 | length 640.8
  L1 TOP w6: R7_2.2@4347.63,2778.94 4347.63,2742.84 4367,2723.47 4367,2705.02
  L1 TOP w10.5: 4367,2705.02 4367,2695.47 4342.56,2671.04 4342.56,2422.53 v2(4370.1,2395)
  L8 BOTTOM w7.75: U2_2.6@4340.2,2208.17 4365.55,2208.17 4386.06,2228.68 4386.06,2379.04 v2(4370.1,2395)
QSPI_CLK_3: R7_3.2 U2_3.6 | length 477.3
  L1 TOP w10.5: v3(3205.49,2969) R7_3.2@3245.02,2969
  L8 BOTTOM w7.75: U2_3.6@3117.72,3224 3075.65,3224 3061.82,3210.17 3041.62,3210.17 3014.98,3183.53 3014.98,3117.13 3163.11,2969 v3(3205.49,2969)
QSPI_CLK_4: R7_4.2 U2_4.6 | length 1075.2
  L1 TOP w10.5: v2(777.48,2851.34) R7_4.2@810.24,2851.34
  L6 SIGNAL 3 w6.9: v2(777.48,2851.34) 751.77,2851.34 714.09,2889.03 714.09,2976.16 658.89,3031.36 658.89,3328.48 914.78,3584.37 v2(914.78,3676.7)
  L8 BOTTOM w7.75: U2_4.6@900.89,3717.86 900.89,3690.59 v2(914.78,3676.7)
QSPI_CLK_RS_1: R7_1.1 U1_1.R10 | length 292.5
  L1 TOP w4: 2042.87,2977.46 2049.7,2984.29 2049.7,3004.7 2070,3025 2154.3,3025 2167.55,3011.75 2216.25,3011.75 2231.68,2996.32 U1_1.R10@2248.76,2996.31
  L1 TOP w10.5: R7_1.1@2012.41,2947 2042.87,2977.46
QSPI_CLK_RS_2: R7_2.1 U1_2.R10 | length 332
  L1 TOP w4: 4383.9,2924.41 4390.5,2931 4474,2931 4491,2914 4537,2914 4548.68,2902.32 U1_2.R10@4566.76,2902.32
  L1 TOP w6: R7_2.1@4347.63,2804.93 4347.63,2817.53 4373.07,2842.96 4373.07,2913.57 4383.9,2924.41
QSPI_CLK_RS_3: R7_3.1 U1_3.R10 | length 369.9
  L1 TOP w4: 3347.48,2951.49 3370,2974 3370,3010 3385,3025 3471,3025 3485,3011 3532,3011 3546.68,2996.32 U1_3.R10@3563.76,2996.31
  L1 TOP w10.5: R7_3.1@3271,2969 3296.33,2943.67 3339.67,2943.67 3347.48,2951.49